# KiCad board AICORS_PCB.kicad_pcb
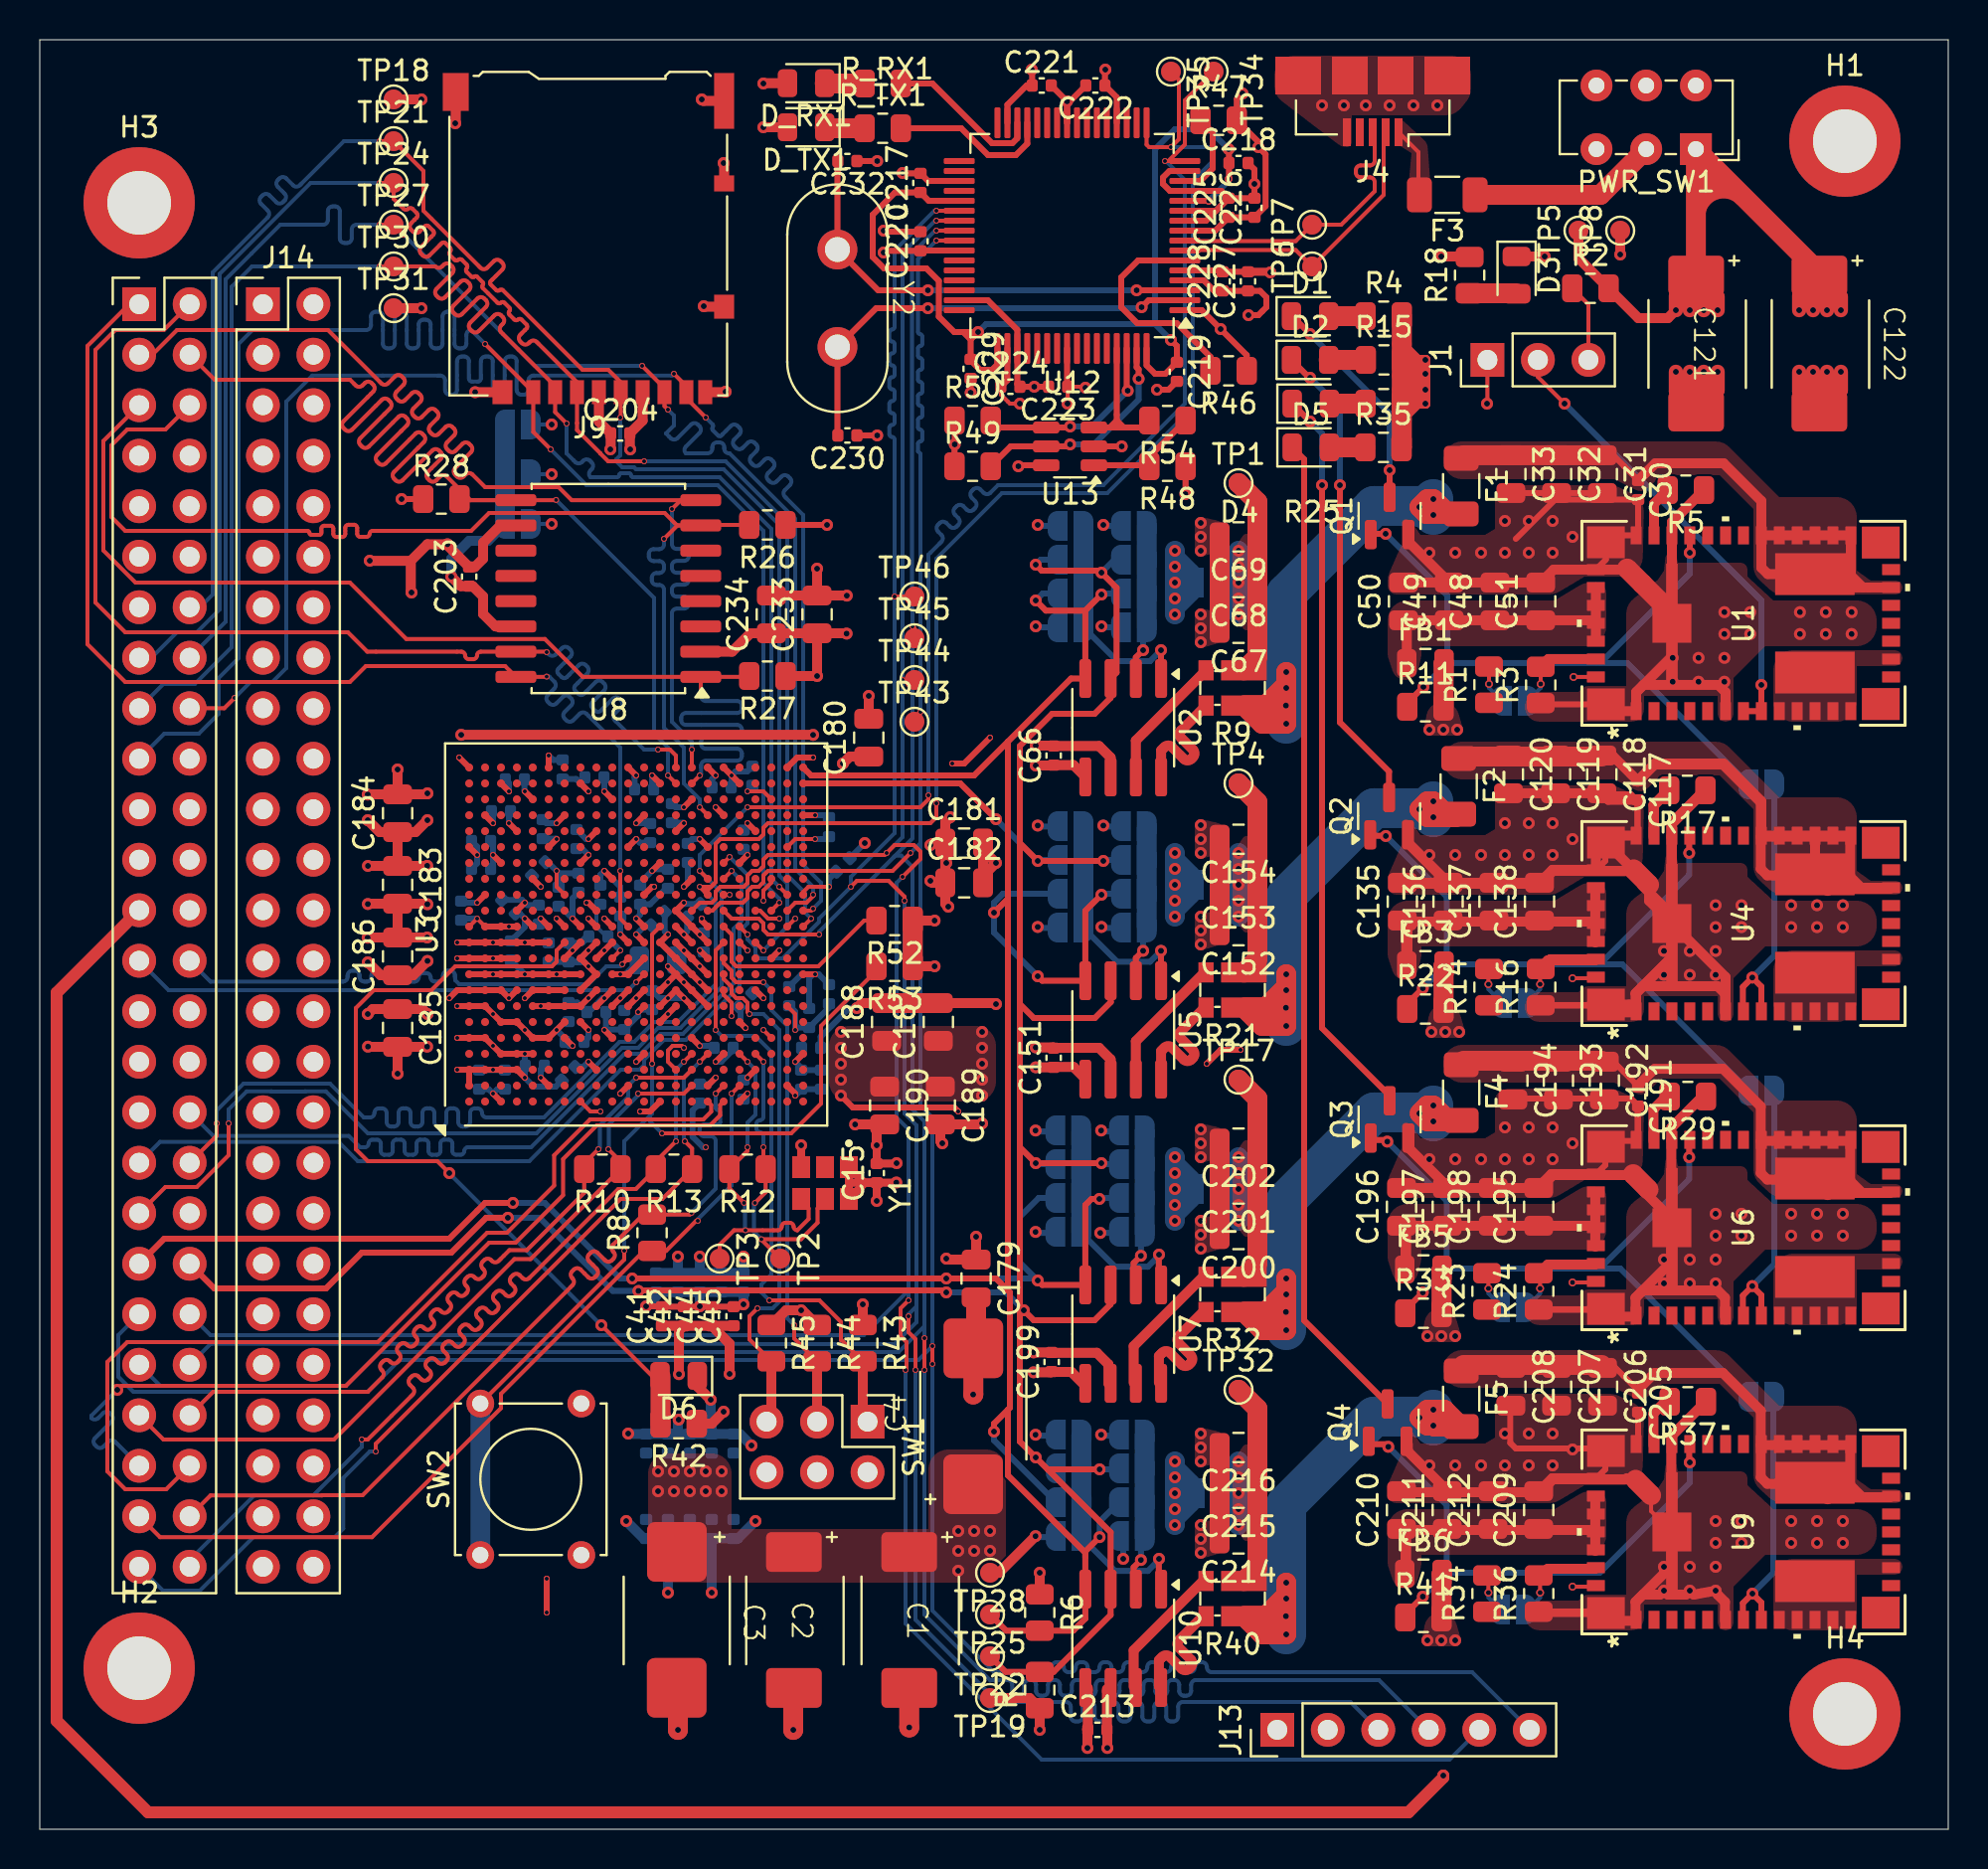
[diagram p0: board, top side]
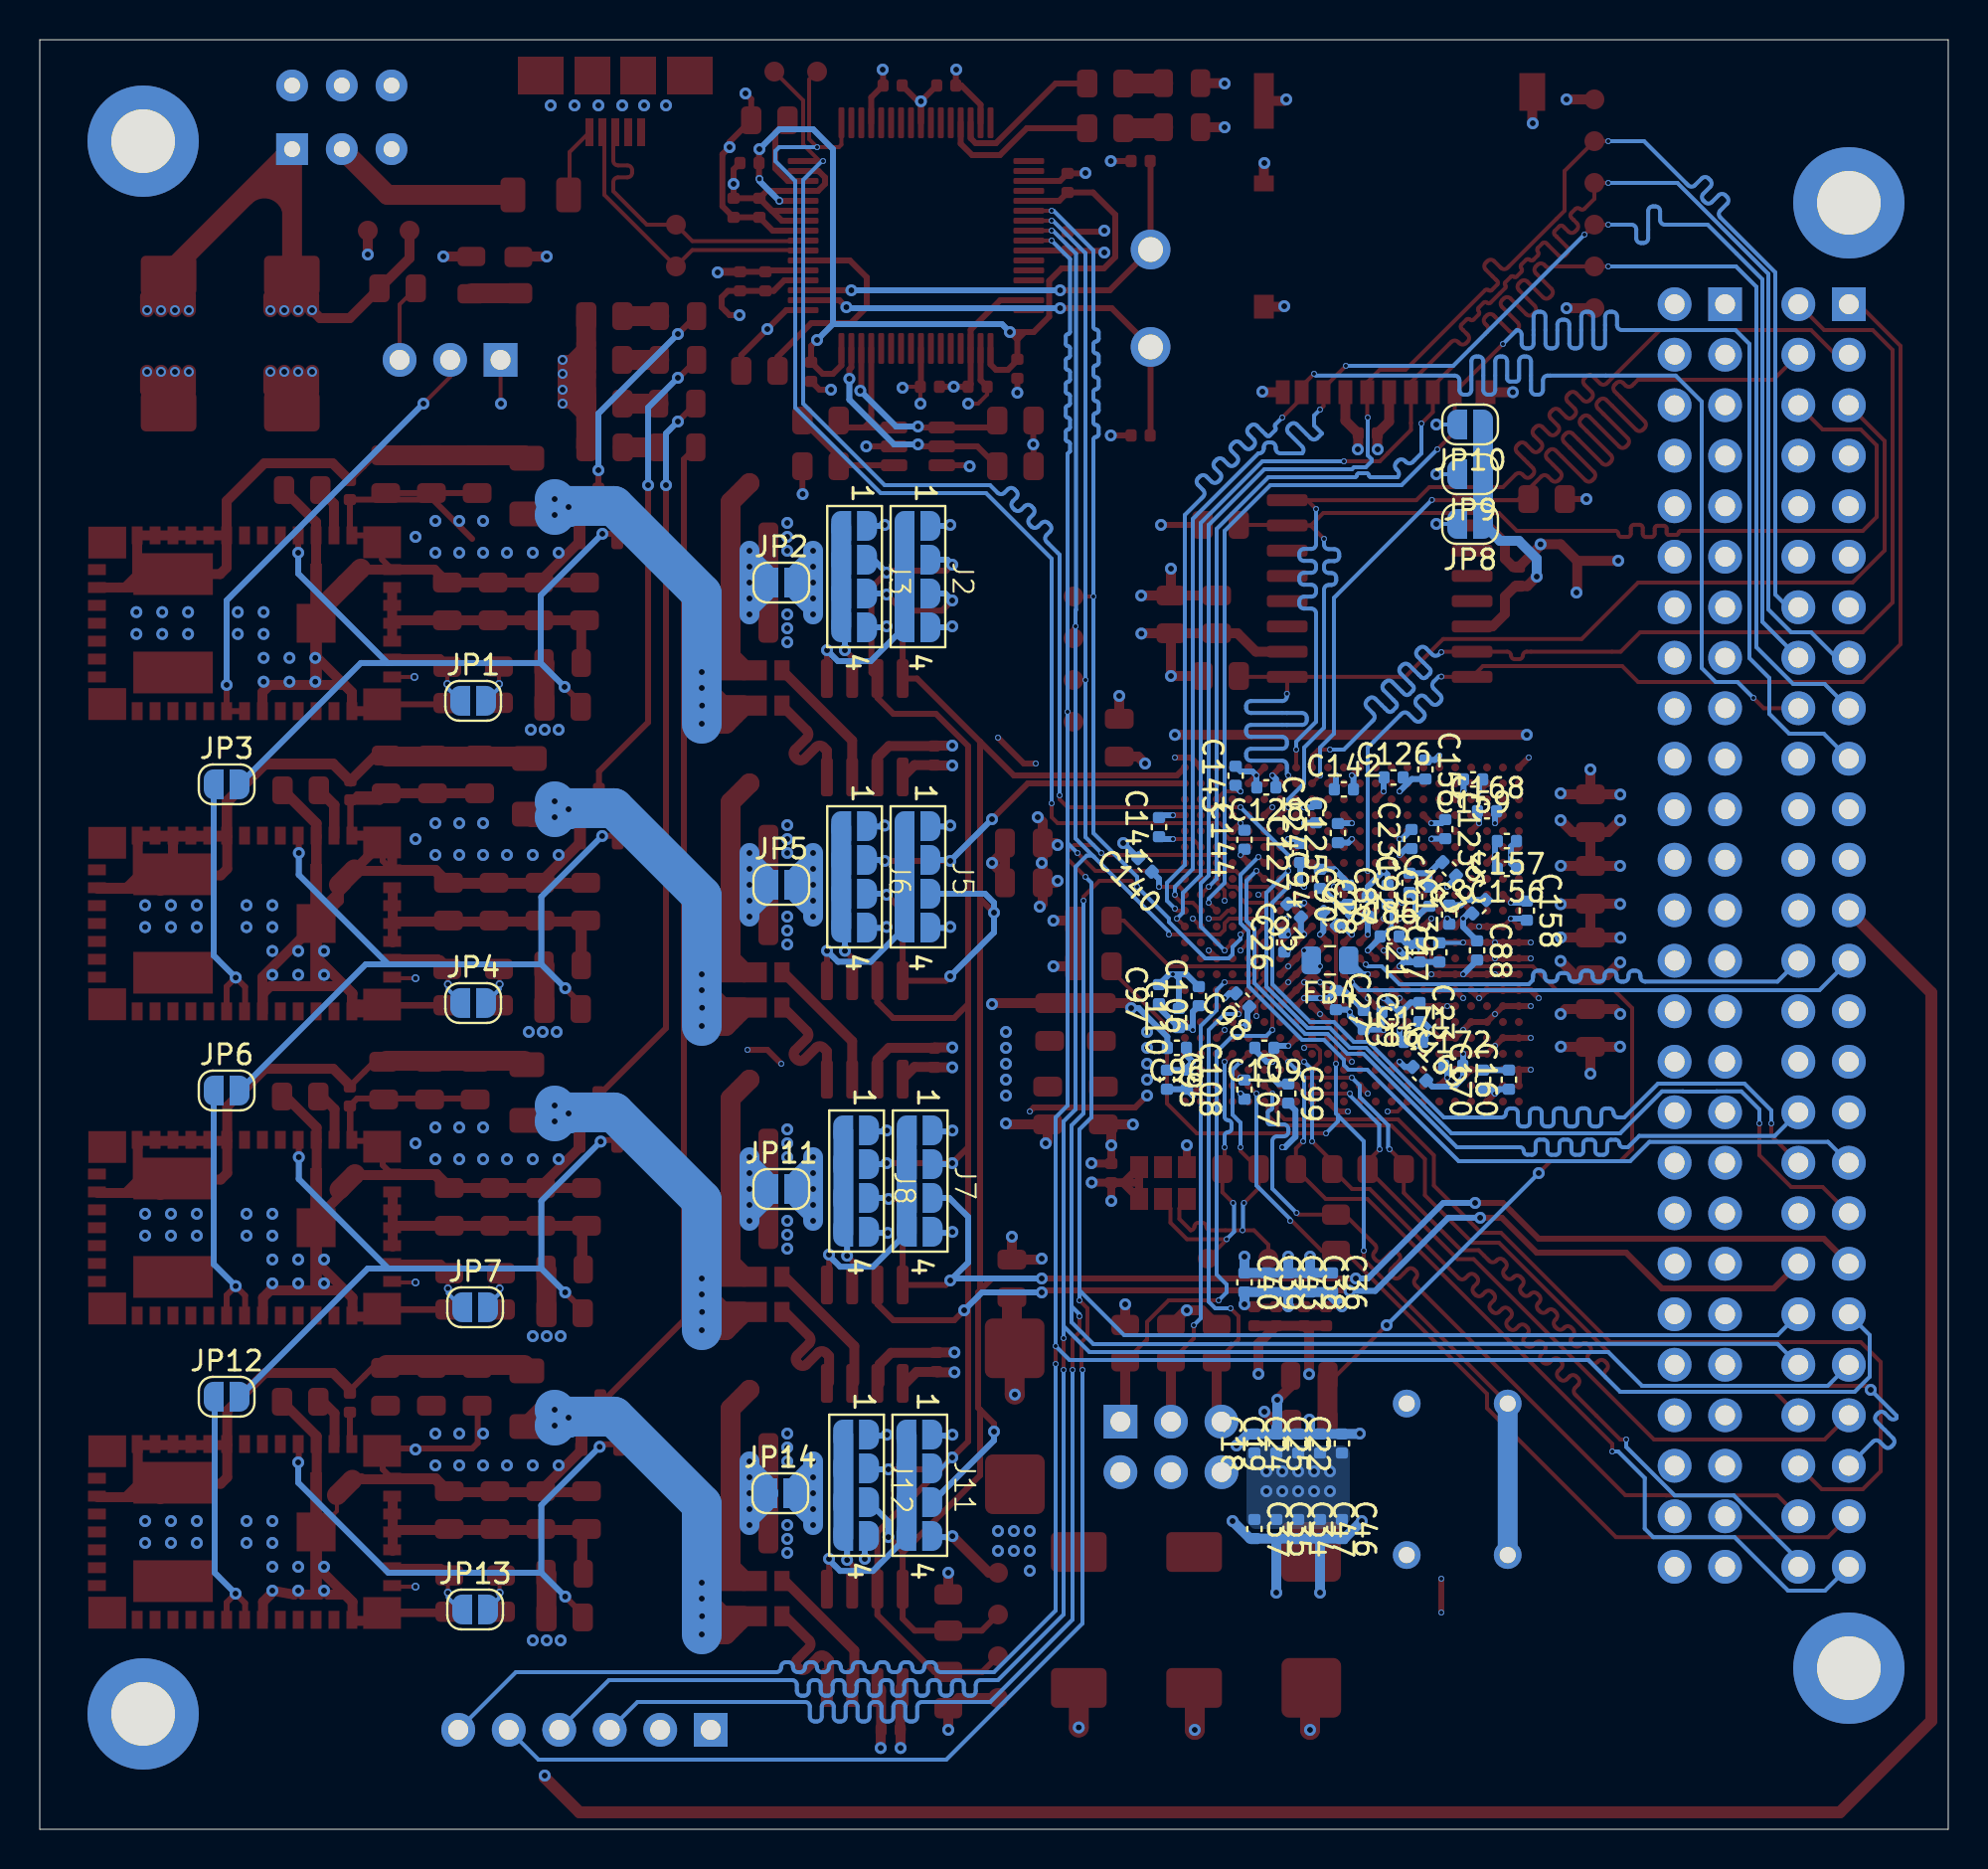
[diagram p1: board, bottom side, seen from below]

Outline 96 x 90 mm; copper layers: Top, In1.Cu (plane), In2.Cu, In3.Cu (plane), In4.Cu (plane), In5.Cu, In6.Cu (plane), Bottom. Coordinates in mm from the lower left corner of the outline.
Outline path: 0,90 96,90 96,0 0,0 0,90
Stack: Top 0.035mm / dielectric 0.1164mm FR4 er 4.5 / In1.Cu 0.0152mm / dielectric 0.3mm FR4 er 4.5 / In2.Cu 0.0152mm / dielectric 0.0764mm FR4 er 4.5 / dielectric 0.0764mm FR4 er 4.5 / In3.Cu 0.0152mm / dielectric 0.3mm FR4 er 4.5 / In4.Cu 0.0152mm / dielectric 0.0764mm FR4 er 4.5 / dielectric 0.0764mm FR4 er 4.5 / In5.Cu 0.0152mm / dielectric 0.3mm FR4 er 4.5 / In6.Cu 0.0152mm / dielectric 0.1164mm FR4 er 4.5 / Bottom 0.035mm

## Placement (name value [footprint] x y rotation side)
C1  100uF  [Panasonic_D2 Tantalum Capacitor]  43.63 10.49 270 top
C2  100uF  [Panasonic_D2 Tantalum Capacitor]  37.84 10.49 270 top
C3  680uF  [Panasonic_D4 Tantalum Capacitor]  32.1 10.5 270 top
C4  680uF  [Panasonic_D4 Tantalum Capacitor]  46.9 20.8 90 top
C15  0.1uF  [C_0402_1005Metric]  42.1 33 90 top
C16  4.7uF  [C_0402_1005Metric]  28 41.1 0 bottom
C17  4.7uF  [C_0402_1005Metric]  25.6 44.1 90 bottom
C18  4.7uF  [C_0402_1005Metric]  34.9 19.4 90 bottom
C19  4.7uF  [C_0402_1005Metric]  33.8 19.4 90 bottom
C20  4.7uF  [C_0402_1005Metric]  31.1 45.8 225 bottom
C21  4.7uF  [C_0402_1005Metric]  26.6 44.1 90 bottom
C22  4.7uF  [C_0402_1005Metric]  30.5 19.4 90 bottom
C23  4.7uF  [C_0402_1005Metric]  26.6 41.1 270 bottom
C24  4.7uF  [C_0402_1005Metric]  32.7 19.4 90 bottom
C25  4.7uF  [C_0402_1005Metric]  31.6 19.4 90 bottom
C26  4.7uF  [C_0402_1005Metric]  33.4 44.6 90 bottom
C27  4.7uF  [C_0402_1005Metric]  30.8 41.7 270 bottom
C28  4.7uF  [C_0402_1005Metric]  29.2 46.4 90 bottom
C29  4.7uF  [C_0402_1005Metric]  29.4 40.7 270 bottom
C30  0.1uF  [C_0402_1005Metric]  80.4 67.35 270 top
C31  47uF  [C_0805_2012Metric]  78.6 68.15 270 top
C32  47uF  [C_0805_2012Metric]  76.3 68.15 270 top
C33  47uF  [C_0805_2012Metric]  74 68.15 270 top
C34  0.47uF  [C_0402_1005Metric]  32.7 15.1 270 bottom
C35  0.47uF  [C_0402_1005Metric]  33.8 15.1 270 bottom
C36  0.47uF  [C_0402_1005Metric]  31 27.5 270 bottom
C37  0.47uF  [C_0402_1005Metric]  34.9 15.1 270 bottom
C38  0.47uF  [C_0402_1005Metric]  32.1 27.5 270 bottom
C39  0.47uF  [C_0402_1005Metric]  34.3 27.5 270 bottom
C40  0.47uF  [C_0402_1005Metric]  35.4 27.5 270 bottom
C41  0.47uF  [C_0402_1005Metric]  31.3 25.8 90 top
C42  0.47uF  [C_0402_1005Metric]  32.4 25.8 90 top
C43  0.47uF  [C_0402_1005Metric]  33.2 27.5 270 bottom
C44  0.47uF  [C_0402_1005Metric]  33.8 25.8 90 top
C45  0.47uF  [C_0402_1005Metric]  34.9 25.8 90 top
C46  0.47uF  [C_0402_1005Metric]  30.5 15.1 270 bottom
C47  0.47uF  [C_0402_1005Metric]  31.6 15.1 270 bottom
C48  47uF  [C_0805_2012Metric]  73.2 61.75 90 top
C49  47uF  [C_0805_2012Metric]  70.9 61.75 90 top
C50  22uF  [C_0805_2012Metric]  68.6 61.75 90 top
C51  22uF  [C_0805_2012Metric]  75.5 61.75 90 top
C66  0.1uF  [C_0402_1005Metric]  51 54 90 top
C67  47uF  [C_0805_2012Metric]  60.3 60.4 180 top
C68  47uF  [C_0805_2012Metric]  60.3 62.7 180 top
C69  47uF  [C_0805_2012Metric]  60.3 65 180 top
C86  0.47uF  [C_0402_1005Metric]  28.1 44.9 180 bottom
C87  0.47uF  [C_0402_1005Metric]  28.2 47 90 bottom
C88  4.7uF  [C_0402_1005Metric]  23.7 44.2 270 bottom
C89  4.7uF  [C_0402_1005Metric]  23.6 46.4 135 bottom
C90  4.7uF  [C_0402_1005Metric]  30.2 47 90 bottom
C91  4.7uF  [C_0402_1005Metric]  26.1 46.9 90 bottom
C92  4.7uF  [C_0402_1005Metric]  27.1 47.6 90 bottom
C93  4.7uF  [C_0402_1005Metric]  32.9 46.2 45 bottom
C94  4.7uF  [C_0402_1005Metric]  31.6 47.8 90 bottom
C95  0.47uF  [C_0402_1005Metric]  39.3 37.7 270 bottom
C96  0.47uF  [C_0402_1005Metric]  38.8 39.3 0 bottom
C97  0.47uF  [C_0402_1005Metric]  39.7 42 90 bottom
C98  0.47uF  [C_0402_1005Metric]  35.5 41.7 45 bottom
C99  0.47uF  [C_0402_1005Metric]  33.2 37 270 bottom
C106  4.7uF  [C_0402_1005Metric]  37.7 41.9 90 bottom
C107  4.7uF  [C_0402_1005Metric]  35.4 37.2 270 bottom
C108  4.7uF  [C_0402_1005Metric]  38.3 37.7 270 bottom
C109  4.7uF  [C_0402_1005Metric]  34.4 39.3 0 bottom
C110  4.7uF  [C_0402_1005Metric]  38.7 40.8 90 bottom
C117  0.1uF  [C_0402_1005Metric]  80.38 52.25 270 top
C118  47uF  [C_0805_2012Metric]  78.58 53.05 270 top
C119  47uF  [C_0805_2012Metric]  76.25 53.05 270 top
C120  47uF  [C_0805_2012Metric]  73.88 53.05 270 top
C121  100uF  [Panasonic_D2 Tantalum Capacitor]  83.22 74.69 270 top
C122  100uF  [Panasonic_D2 Tantalum Capacitor]  89.42 74.69 270 top
C123  0.47uF  [C_0402_1005Metric]  25.3 50.3 270 bottom
C124  0.47uF  [C_0402_1005Metric]  31.8 51.1 90 bottom
C125  0.47uF  [C_0402_1005Metric]  30.7 50.1 90 bottom
C126  0.47uF  [C_0402_1005Metric]  27.9 52.9 180 bottom
C127  0.47uF  [C_0402_1005Metric]  32.6 49.1 90 bottom
C128  0.47uF  [C_0402_1005Metric]  34.3 52.4 0 bottom
C135  47uF  [C_0805_2012Metric]  68.54 46.65 90 top
C136  47uF  [C_0805_2012Metric]  70.84 46.65 90 top
C137  22uF  [C_0805_2012Metric]  73.15 46.65 90 top
C138  22uF  [C_0805_2012Metric]  75.44 46.65 90 top
C139  4.7uF  [C_0402_1005Metric]  25.1 46 90 bottom
C140  4.7uF  [C_0402_1005Metric]  40.4 48.5 45 bottom
C141  4.7uF  [C_0402_1005Metric]  39.7 50.4 90 bottom
C142  4.7uF  [C_0402_1005Metric]  30.4 52.3 180 bottom
C143  4.7uF  [C_0402_1005Metric]  35.85 52.98 90 bottom
C144  4.7uF  [C_0402_1005Metric]  35.4 49.77 90 bottom
C151  0.1uF  [C_0402_1005Metric]  51 38.8 90 top
C152  47uF  [C_0805_2012Metric]  60.3 45.19 180 top
C153  47uF  [C_0805_2012Metric]  60.3 47.5 180 top
C154  47uF  [C_0805_2012Metric]  60.3 49.79 180 top
C155  0.47uF  [C_0402_1005Metric]  26.3 53.3 270 bottom
C156  0.47uF  [C_0402_1005Metric]  22.2 48.3 0 bottom
C157  0.47uF  [C_0402_1005Metric]  22.2 49.7 0 bottom
C158  0.47uF  [C_0402_1005Metric]  21.2 46.2 270 bottom
C159  0.47uF  [C_0402_1005Metric]  23.9 52.8 0 bottom
C160  0.47uF  [C_0402_1005Metric]  22.1 37.7 90 bottom
C167  4.7uF  [C_0402_1005Metric]  25.1 48.3 45 bottom
C168  4.7uF  [C_0402_1005Metric]  23.2 51.2 180 bottom
C169  4.7uF  [C_0402_1005Metric]  26.6 38 225 bottom
C170  4.7uF  [C_0402_1005Metric]  23.4 37.7 90 bottom
C171  4.7uF  [C_0402_1005Metric]  26.9 39.6 180 bottom
C172  4.7uF  [C_0402_1005Metric]  24.9 38.4 180 bottom
C179  47uF  [C_0805_2012Metric]  47.1 27.7 270 top
C180  47uF  [C_0805_2012Metric]  41.7 54.9 90 top
C181  47uF  [C_0805_2012Metric]  46.5 49.6 0 top
C182  47uF  [C_0805_2012Metric]  46.5 47.6 0 top
C183  47uF  [C_0805_2012Metric]  18 47.5 270 top
C184  47uF  [C_0805_2012Metric]  18 51.1 90 top
C185  47uF  [C_0805_2012Metric]  18 40.3 270 top
C186  47uF  [C_0805_2012Metric]  18 43.9 90 top
C187  47uF  [C_0805_2012Metric]  45.2 40.6 90 top
C188  47uF  [C_0805_2012Metric]  42.6 40.6 90 top
C189  47uF  [C_0805_2012Metric]  45.3 36.4 270 top
C190  47uF  [C_0805_2012Metric]  42.5 36.4 270 top
C191  0.1uF  [C_0402_1005Metric]  80.4 36.85 270 top
C192  47uF  [C_0805_2012Metric]  78.7 37.65 270 top
C193  47uF  [C_0805_2012Metric]  76.39 37.65 270 top
C194  47uF  [C_0805_2012Metric]  74.1 37.65 270 top
C195  47uF  [C_0805_2012Metric]  75.4 31.3 90 top
C196  47uF  [C_0805_2012Metric]  68.5 31.3 90 top
C197  22uF  [C_0805_2012Metric]  70.8 31.3 90 top
C198  22uF  [C_0805_2012Metric]  73.11 31.3 90 top
C199  0.1uF  [C_0402_1005Metric]  50.9 23.5 90 top
C200  47uF  [C_0805_2012Metric]  60.3 29.91 180 top
C201  47uF  [C_0805_2012Metric]  60.3 32.2 180 top
C202  47uF  [C_0805_2012Metric]  60.3 34.51 180 top
C203  0.1uF  [C_0402_1005Metric]  21.6 63 90 top
C204  0.1uF  [C_0402_1005Metric]  29.2 70.2 0 top
C205  0.1uF  [C_0402_1005Metric]  80.4 21.45 270 top
C206  47uF  [C_0805_2012Metric]  78.61 22.25 270 top
C207  47uF  [C_0805_2012Metric]  76.3 22.25 270 top
C208  47uF  [C_0805_2012Metric]  74 22.25 270 top
C209  47uF  [C_0805_2012Metric]  75.4 16.05 90 top
C210  47uF  [C_0805_2012Metric]  68.5 16.05 90 top
C211  22uF  [C_0805_2012Metric]  70.8 16.05 90 top
C212  22uF  [C_0805_2012Metric]  73.1 16.05 90 top
C213  0.1uF  [C_0402_1005Metric]  53.2 5 0 top
C214  47uF  [C_0805_2012Metric]  60.3 14.6 180 top
C215  47uF  [C_0805_2012Metric]  60.3 16.9 180 top
C216  47uF  [C_0805_2012Metric]  60.3 19.2 180 top
C217  0.1uF  [C_0402_1005Metric]  44.3 82.8 90 top
C218  0.1uF  [C_0402_1005Metric]  60.3 83.8 0 top
C219  0.1uF  [C_0402_1005Metric]  57.2 73.3 270 top
C220  0.1uF  [C_0402_1005Metric]  44.3 79.87 90 top
C221  0.1uF  [C_0402_1005Metric]  50.4 87.7 0 top
C222  0.1uF  [C_0402_1005Metric]  53.1 87.7 180 top
C223  0.1uF  [C_0402_1005Metric]  51.23 72.55 180 top
C224  0.1uF  [C_0402_1005Metric]  48.82 72.55 0 top
C225  4.7uF  [C_0402_1005Metric]  59.8 81.55 90 top
C226  0.1uF  [C_0402_1005Metric]  61.1 81.55 90 top
C227  4.7uF  [C_0402_1005Metric]  60.77 77.85 90 top
C228  0.1uF  [C_0402_1005Metric]  59.5 77.85 90 top
C229  4.7uF  [C_0402_1005Metric]  46.82 73.45 270 top
C230  18pF  [C_0402_1005Metric]  40.63 70.1 180 top
C231  0.1uF  [C_0402_1005Metric]  27 49.8 90 bottom
C232  18pF  [C_0402_1005Metric]  40.63 83.9 180 top
C233  47uF  [C_0805_2012Metric]  39.1 61.1 90 top